# Altium PCB AMC_Box_Mainboard.PcbDoc (part 2 of 8) (continued)
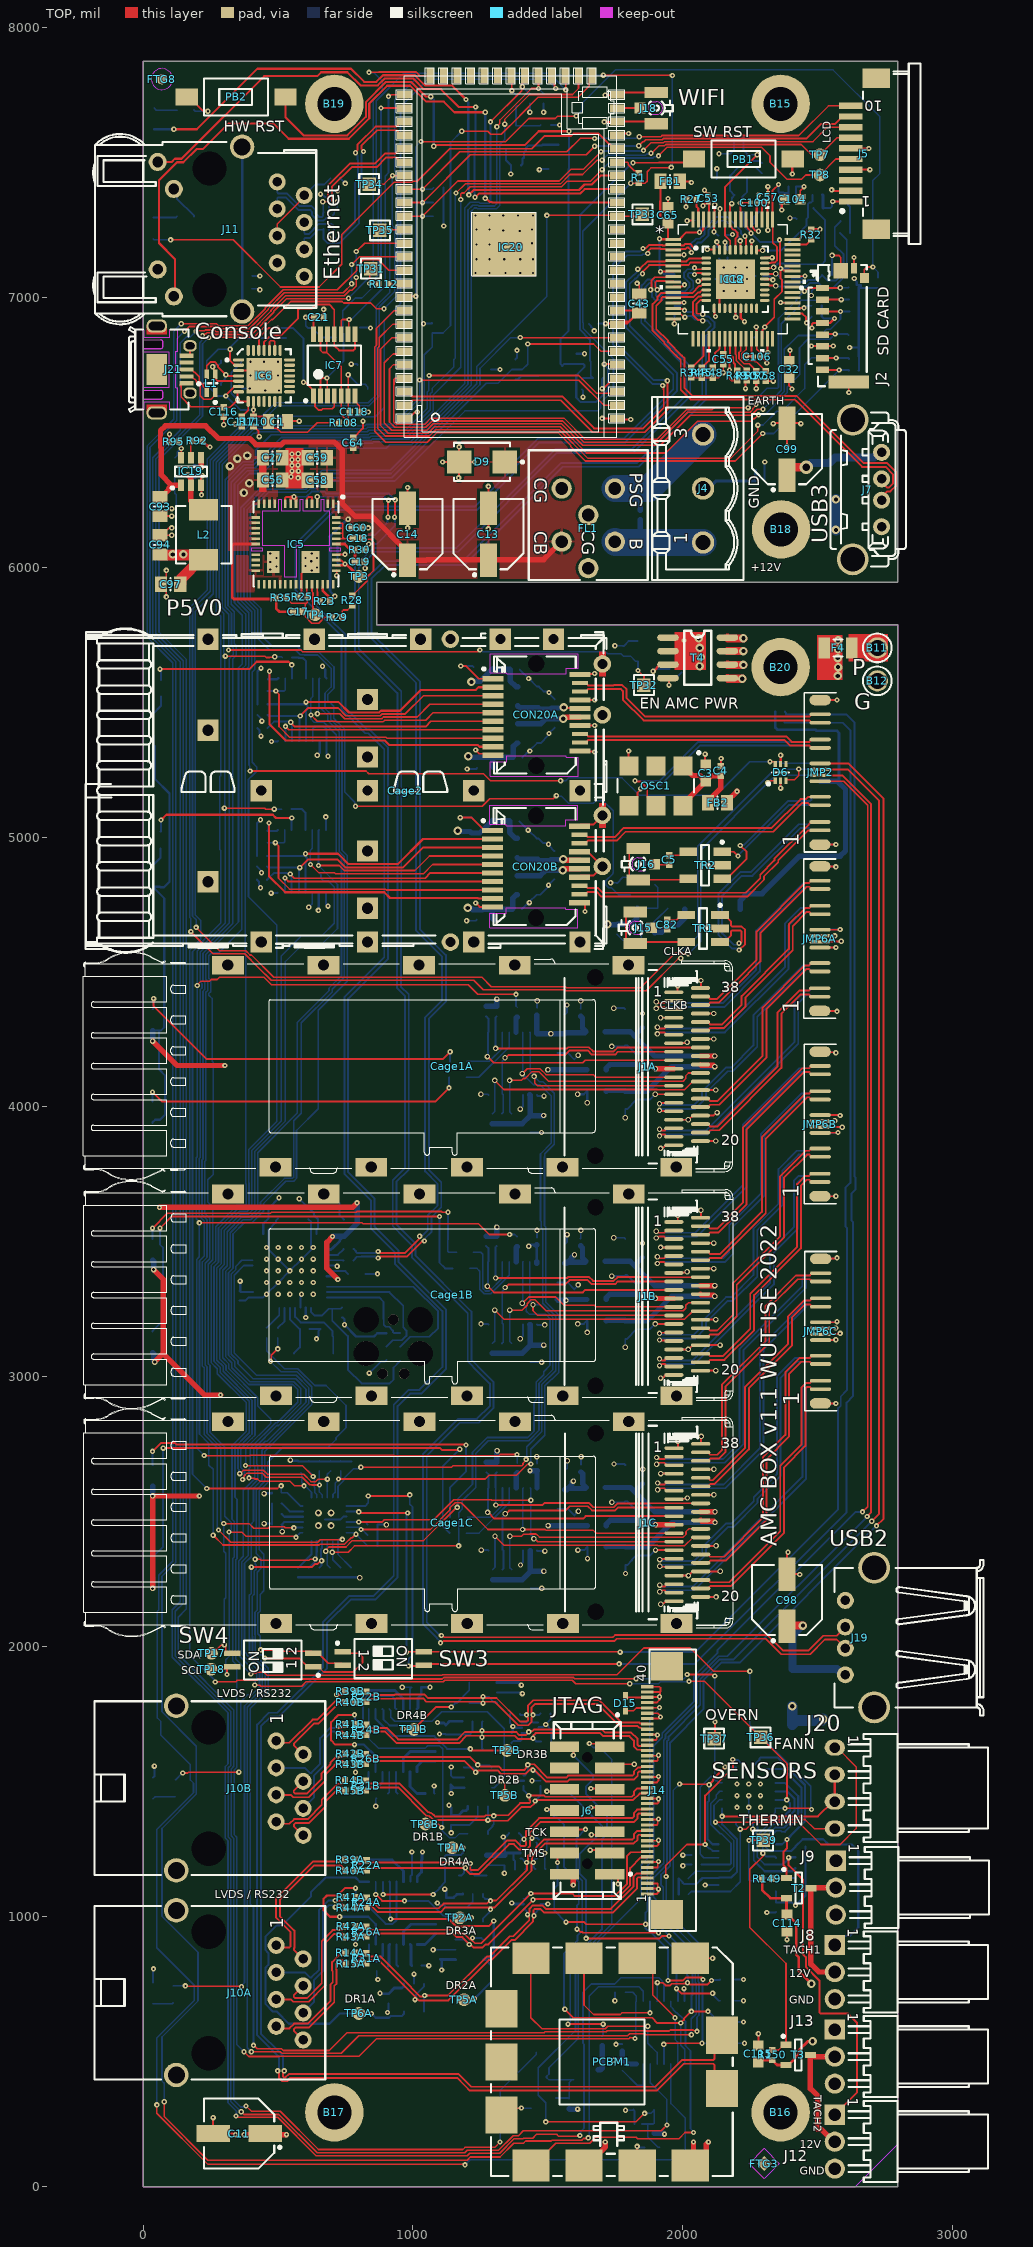
[diagram p0: TOP view]
## Part data (continued)
IC10A IC10B: "3-V To 5.5-V Multichannel RS-232 Line Driver/Receiver With ±15kV IEC ESD Protection", Case=TSSOP16, Manufacturer="TEXAS INSTRUMENTS", Author="CERN DEM JLC", Component Type=Standard, ComponentHeight=1.2mm, CreateDate=2012-01-09, Device=MAX3232CPW, HelpURL=\\cern.ch\dfs\Applications\Altium\Datasheets\MAX3232CPW.pdf, LatestRevisionDate=2012-01-10, Manufacturer Part Number=MAX3232CPW, Mounted=Yes, PackageDescription="SOP, 0.65mm pitch; 16 pin, 4.40mm W X 5.00mm L X 1.20mm H body IPC Medium Density", Part Description="3V To 5.5V Multichannel RS-232 Line Driver/Receiver With ±15kV IEC ESD Protection", Part Number=MAX3232CPW, Pin Count=16, SMD=Yes, Socket=No, Table="Analog & Interface"
IC11A IC11B IC13A IC13B: "High-Speed Differential Line Driver", Case=SOT23-5, Manufacturer="TEXAS INSTRUMENTS", Author="CERN DEM JLC", Bonding=No, Component Type=Standard, ComponentHeight=1.45mm, CreateDate=22.09.2011, Device=SN65LVDS1DBVT, HelpURL=\\cern.ch\dfs\Applications\Altium\Datasheets\SN65LVDS1DBVT.pdf, LatestRevisionDate=22.09.2011, Manufacturer Part Number=SN65LVDS1DBVT, Mounted=Yes, PackageDescription="SOT, 0.95mm pitch; 5 pin, 1.60mm W X 2.90mm L X 1.45mm H body, IPC Medium Density", Part Description="High-Speed Differential Line Driver", Part Number=SN65LVDS1DBVT, Pin Count=5, PressFit=No, Sense=No, SMD=Yes, Socket=No
IC12: library part IFC_USB2504A-JT, "Integrated USB 2.0 Compatible 4-Port Hub", Manufacturer=Microchip, Copyright="Copyright (C) 2022 Ultra Librarian. All rights reserved.", Manufacturer Part Number=USB2504A-JT, RefDes=RefDes, Type=DEV
IC15: "3-Pin Microprocessor Reset Circuit", Case=SOT23, Manufacturer="ST MICROELECTRONICS", Author="CERN DEM JMW", Bonding=No, Component Type=Standard, ComponentHeight=1.12mm, CreateDate=11.08.2015, Device=STM809SWX6F, HelpURL=\\cern.ch\dfs\Applications\Altium\Datasheets\STM809SWX6F.pdf, LatestRevisionDate=11.08.2015, Manufacturer Part Number=STM809SWX6F, Mounted=Yes, PackageDescription="SOT, 0.95mm, pitch; 3 pin,1.30mm W X 2.92mm L X 1.12mm H body, IPC Medium Density", Part Description="3-Pin Microprocessor Reset Circuit, Reset Threshold Voltage 2.85-3.00V", Part Number=STM809SWX6F, Pin Count=3, PressFit=No, Sense=No, SMD=Yes, Socket=No
IC16: library part IIC_MUX_MAX7357ETG+, "8-channel I2C-bus multiplexer with reset, INT and timeout"
IC17: "4-BIT 1-OF-2 FET Multiplexer/Demultiplexer 2.5V/3.3V Low-Voltage Bus Switch 5V Tolerant Shifter", Case=TSSOP16, Manufacturer="TEXAS INSTRUMENTS", Author="CERN DEM JLC", Bonding=No, Component Type=Standard, ComponentHeight=1.2mm, CreateDate=30.01.2012, Device=SN74CB3T3257PW, HelpURL=\\cern.ch\dfs\Applications\Altium\Datasheets\SN74CB3T3257PW.pdf, LatestRevisionDate=30.01.2012, Manufacturer Part Number=SN74CB3T3257PW, Mounted=Yes, PackageDescription="SOP, 0.65mm pitch; 16 pin, 4.40mm W X 5.00mm L X 1.20mm H body IPC Medium Density", Part Description="4-Bit 1-of-2 FET Multiplexer/Demultiplexer 2.5V/3.3V Low-Voltage Bus Switch 5V Tolerant Shifter", Part Number=SN74CB3T3257PW, Pin Count=16, PressFit=No, Sense=No, SMD=Yes, Socket=No
IC19: library part PM_AP65111A, "LIGHT LOAD IMPROVED 1.5A SYNCH DC/DC BUCK CONVERTER", Case=SOT26, Manufacturer="DIODES INCORPORATED", Author=GK, Bonding=No, Component Type=Standard, ComponentHeight=1.45mm, CreateDate=10.07.2015, Device=AP62201WU-7, HelpURL=\\cern.ch\dfs\Applications\Altium\Datasheets\AP133-WG-7.pdf, LatestRevisionDate=10.07.2015, Manufacturer Part Number=AP62201WU-7, Mounted=Yes, PackageDescription="SOT23, 0.95mm pitch; 6 pin, 1.6mm W X 3.0mm L X 1.45mm H body, IPC Medium Density", Part Description="LIGHT LOAD IMPROVED 1.5A SYNCH DC/DC BUCK CONVERTER", Part Number=AP62201WU-7, Pin Count=5, PressFit=No, Sense=No, SMD=Yes, Socket=No
IC20: library part MOD_OMEGA2S, "MediaTek Transceiver; 802.11 b/g/n _Wi-Fi, WiFi, WLAN_ For Use With MT7688", Package="Module Onion", Availability=Unavailable, MF=Onion, MP=OMEGA2S, Price=None, SnapEDA_Link=https://www.snapeda.com/parts/OMEGA2S/Onion/view-part/3600410/?ref=snap
IC21: library part CMP-0095-00166-2, "8-bit AVR Microcontroller, 2.7-5.5V, 16MHz, 32KB Flash, 1KB EEPROM, 2.5KB SRAM, USB Controller, 44-pin QFN, Industrial Grade (-40°C to 85°C), Ext Osc", Code_JEDEC=MO-220-VKKD-1, ComponentLink1Description="Manufacturer URL", ComponentLink1URL=http://www.atmel.com/, ComponentLink2Description="ATmega16U4/32U4 Datasheet", ComponentLink2URL=http://www.atmel.com/dyn/resources/prod_documents/doc7766.pdf, ComponentLink3Description="ATmega16U4 ATmega32U4 Summary", ComponentLink3URL=http://www.atmel.com/dyn/resources/prod_documents/7766S.pdf, DatasheetVersion="revF, Nov-2010", PackageDescription="44-Pin Quad Flat No-Lead Package, 7 x 7 mm Body, 0.5 mm Pitch (QFN)", PackageReference=44PW, PackageVersion="revG, Sep-2009", RevisionNote="DatasheetVersion, PackageVersion & PCB updated. URLs added."
J1A J1B J1C: library part TYCO_1551920-2, "38Position QSFP Connector  (Quad Small Form-factor Pluggable)", Manufacturer="TYCO ELECTRONICS", Manufacturer Part Number=1551920-2, Author="CERN DEM JLC", Component Type=Standard, ComponentHeight=6.1mm, CreateDate=24.05.2018, Family=zQSFP+, HelpURL=\\cern.ch\dfs\Applications\Altium\Datasheets\TYCO_1551920-2.pdf, LatestRevisionDate=24.05.2018, Mounted=Yes, Part Description="38 Positions, Pitch 0.8mm zSFP+ Receptacle (Small Form-factor Pluggable)", Part Number=TYCO_1551920-2, Pin Count=38, PressFit=No, Sense=No, SMD=No, Socket=No, Status=None
J2: library part MOLEX_47309-2651, "MicroSD Card Header with Detect Switch", Manufacturer=MOLEX, Manufacturer Part Number=47309-2651, Author="CERN DEM JMW", Component Type=Standard, ComponentHeight=2.65mm, CreateDate=29.06.2017, Family=microSD, HelpURL=\\cern.ch\dfs\Applications\Altium\Datasheets\MOLEX_47309-2651.pdf, LatestRevisionDate=29.06.2017, Mounted=Yes, Part Description="1.10mm Pitch microSD Card Header with Detect Switch", Part Number=MOLEX_47309-2651, Pin Count=12, PressFit=No, Sense=No, SMD=Yes, Socket=No, Status=None
J4: library part PHOENIX_1755749, "Connector 3 Male", Manufacturer="PHOENIX CONTACT", Manufacturer Part Number="1755749 (MSTBVA 2,5/3-G-5,08)", Author="CERN DEM JLC", Component Type=Standard, ComponentHeight=12mm, CreateDate=13.11.2013, HelpURL=\\cern.ch\dfs\Applications\Altium\Datasheets\PHOENIX_1755749.pdf, LatestRevisionDate=13.11.2013, Mounted=Yes, Part Description="12A, 250V, Pitch 5.08mm, 3 Positions Header", Part Number=PHOENIX_1755749, Pin Count=3, PressFit=No, Sense=No, SMD=No, Socket=No, Status=None
J5: library part "WURTH_686 110 144 22", "Connector 10 Female", Manufacturer="WURTH ELEKTRONIK", Manufacturer Part Number="686 110 144 22", Author="CERN DEM JMW", Component Type=Standard, ComponentHeight=3.15mm, CreateDate=06.08.2015, Family=FFC, HelpURL="\\cern.ch\dfs\Applications\Altium\Datasheets\WURTH_686 110 144 22.pdf", LatestRevisionDate=06.08.2015, Mounted=Yes, Part Description="10 Contacts, Pitch 1mm, SMT Connector, ZIF Horizontal Bottom Contact WR-FPC", Part Number="WURTH_686 110 144 22", Pin Count=10, PressFit=No, Sense=No, SMD=Yes, Socket=No, Status=None
J6: library part MOLEX_87832-1420, "Connector 14 Male", Manufacturer=MOLEX, Manufacturer Part Number=87832-1420, Author="CERN DEM JLC", Component Type=Standard, ComponentHeight=6.4mm, CreateDate=2008-09-09, Family=Milli-Grid™, HelpURL=\\cern.ch\dfs\Applications\Altium\Datasheets\MOLEX_87832-1420.pdf, LatestRevisionDate=2008-09-09, Mounted=Yes, Part Description="2.00mm (.079\") Pitch Milli-Grid™ Header, Surface Mount, Vertical, Shrouded, 14 Circuits,with Locking Windows and Centre Polarization Slot, PCB Locator", Part Number=MOLEX_87832-1420, Pin Count=14, SMD=Yes, Socket=No, Status=None, Table=MOLEX
J7: library part TYCO_1734366-1, "4 Pin + 1 Shield USB Receptacle", Manufacturer="TYCO ELECTRONICS", Manufacturer Part Number=1734366-1, Author="CERN DEM MR", Component Type=Standard, ComponentHeight=15mm, CreateDate=30.05.2016, Family="USB 2.0", HelpURL=\\cern.ch\dfs\Applications\Altium\Datasheets\TYCO_1734366-1.pdf, LatestRevisionDate=30.05.2016, Mounted=Yes, Part Description="4 Position, Straight, USB 2.0 Type A Receptacle", Part Number=TYCO_1734366-1, Pin Count=6, PressFit=No, Sense=No, SMD=No, Socket=No, Status=None
J8 J9 J12 J13: library part MOLEX_22-05-7038, "Connector 3 Male", Manufacturer=MOLEX, Manufacturer Part Number=22-05-7038, Author="CERN DEM JLC", Component Type=Standard, ComponentHeight=5.8mm, CreateDate=19.09.2012, Family=KK®, HelpURL=\\cern.ch\dfs\Applications\Altium\Datasheets\MOLEX_22-05-7038.pdf, LatestRevisionDate=19.09.2012, Mounted=Yes, Part Description="2.54mm (.100\") Pitch KK® Wire-To-Board Header, Right Angle, With Friction Lock, 3 Circuits", Part Number=MOLEX_22-05-7038, Pin Count=3, PressFit=No, Sense=No, SMD=No, Socket=No, Status=None
J10A J10B: library part FCI_95678-001LF, "1 Port, 8 Positions Shielded Snap PEG, CAT5 RJ45 Horizontal Modular Jack", Manufacturer=FCI, Manufacturer Part Number=95678-001LF, Author="CERN DEM BC", Component Type=Standard, ComponentHeight=13.99mm, CreateDate=28.07.2015, Family=RJ45, HelpURL=\\cern.ch\dfs\Applications\Altium\Datasheets\FCI_95678-001LF.pdf, LatestRevisionDate=28.07.2015, Mounted=Yes, Part Description="1 Port, 8 Positions Shielded Snap PEG, CAT5 RJ45 Horizontal Modular Jack", Part Number=FCI_95678-001LF, Pin Count=10, PressFit=No, Sense=No, SMD=No, Socket=No, Status=None
J11: library part TYCO_5-6605308-1, "1 Port, Yellow/Green LEDs, RJ45 10/100Base-T Ethernet, Mag45 Connector Module With Integrated Magnetics", Manufacturer="TYCO ELECTRONICS", Manufacturer Part Number=5-6605308-1, Author="CERN DEM JLC", Component Type=Standard, ComponentHeight=15.24mm, CreateDate=23.08.2012, Family=RJ45, HelpURL=\\cern.ch\dfs\Applications\Altium\Datasheets\TYCO_5-6605308-1.pdf, LatestRevisionDate=23.08.2012, Mounted=Yes, Part Description="1 Port, Yellow/Green LEDs, RJ45 10/100Base-T Ethernet, Mag45 Connector Module With Integrated Magnetics", Part Number=TYCO_5-6605308-1, Pin Count=14, PressFit=No, Sense=No, SMD=No, Socket=No, Status=None
J14: "0.50 mm SMT ZIF Horizontal Top Contact WR-FPC, 40 pins", ComponentLink1Description=Manufacturer, ComponentLink1URL=http://www.we-online.de, ComponentLink2Description=Datasheet, ComponentLink2URL=http://katalog.we-online.com/em/datasheet/6871xx14022.pdf, Part Number=68714014022, Pin Number=40, Pitch="0.5 mm", Published Date="April 2017", Publisher="Wurth Elektronik"
J15 J16 J18: library part HIROSE_U.FL-R-SMT-1(10), Manufacturer="HIROSE (HRS)", Manufacturer Part Number=U.FL-R-SMT-1(10), Author="CERN DEM JLC", Component Type=Standard, ComponentHeight=1.25mm, CreateDate=24.03.2010, Family=U.FL, HelpURL=\\cern.ch\dfs\Applications\Altium\Datasheets\HIROSE_U.FL-R-SMT-1(10).pdf, LatestRevisionDate=24.03.2010, Mounted=Yes, Part Description="Up to 6GHz Ultra Small Surface Mount Male Coaxial Connectors U.FL Series", Part Number=HIROSE_U.FL-R-SMT-1(10), Pin Count=2, PressFit=No, Sense=No, SMD=Yes, Socket=No, Status=None
J17: library part "HDR 6 TC2030-NL", "HDR, TC2030, 6 Pin, Footprint only", Mfg-1=Tag-Connect, Mfg-1-P/N=TC2030-IDC-NL
J19: library part TYCO_292303-1, "4 Pin + 1 Shield USB Receptacle", Manufacturer="TYCO ELECTRONICS", Manufacturer Part Number=292303-1, Author="CERN DEM JMW", Component Type=Standard, ComponentHeight=7.65mm, CreateDate=13.08.2015, Family="USB 2.0", HelpURL=\\cern.ch\dfs\Applications\Altium\Datasheets\TYCO_292303-1.pdf, LatestRevisionDate=13.08.2015, Mounted=Yes, Part Description="4 Positions, Right Angle, USB 2.0 Type A Receptacle", Part Number=TYCO_292303-1, Pin Count=5, PressFit=No, Sense=No, SMD=No, Socket=No, Status=None
J20: library part CON_4_2.54_RA_key, "2.54mm crimped terminal header"
J21: library part HIROSE_ZX62RD-AB-5P8(30), "5 Pin + 1 Shield USB Receptacle", Manufacturer="HIROSE (HRS)", Manufacturer Part Number=ZX62RD-AB-5P8(30), Author="CERN DEM JMW", Component Type=Standard, ComponentHeight=2.35mm, ComponentLink1Description=Package-Drawing, ComponentLink1URL=\\cern.ch\dfs\Applications\Altium\Datasheets\HIROSE_ZX62RD-AB-5P8(30)_Package-Drawing.pdf, CreateDate=22.06.2017, Family="Micro-USB AB 2.0", HelpURL=\\cern.ch\dfs\Applications\Altium\Datasheets\HIROSE_ZX62RD-AB-5P8(30).pdf, LatestRevisionDate=22.06.2017, Mounted=Yes, Part Description="Micro-USB 2.0 Right Angle, SMD Type AB - Reverse (Top mount), Shell Through Hole", Part Number=HIROSE_ZX62RD-AB-5P8(30), Pin Count=7, PressFit=No, Sense=No, SMD=Yes, Socket=No, Status=None
JMP2 JMP4 JMP5A JMP5B JMP5C JMP6A JMP6B JMP6C: library part CBL_TWINAX_3M_4pairs_SB, "Flat Ribbon Cable Silver 8 (4 Pair) Conductors 0.093\" (2.37mm) Between Pairs Flat Twin Axial 500.0' (152.40m)"
L1: library part IND_MURATA_DLW21SN900SQ2L, "Inductor Common Mode", Case=0805, Manufacturer=MURATA, Manufacturer Part Number=DLW21SN900SQ2L, Power=330mA, Resistance=0.35R, Tolerance=±25%, Author="CERN DEM JLC", Component Type=Standard, ComponentHeight=1.4mm, CreateDate=2014-07-01, HelpURL=\\cern.ch\dfs\Applications\Altium\Datasheets\IND_MURATA_DLW21S.pdf, LatestRevisionDate=2014-07-01, Mounted=Yes, Part Description="Wire Wound Common Mode Choke Coil (DLW21S Series)", Part Number=IND_MURATA_DLW21SN900SQ2L, Pin Count=4, SMD=Yes, Socket=No, Status=None, Table="Inductors SMD"
L2: library part IND2020_4.7UH_20%_VISHAY_IHLP-2020BZ-11, "Inductor With Core", Case=2020, Manufacturer="VISHAY DALE", Manufacturer Part Number=IHLP2020BZER4R7M11, Power=3.2A, Resistance=0.0813R, Tolerance=±20%, Author="CERN DEM JLC", Component Type=Standard, ComponentHeight=2mm, CreateDate=23.07.2014, HelpURL=\\cern.ch\dfs\Applications\Altium\Datasheets\IND2020_VISHAY_IHLP2020BZ-11.pdf, LatestRevisionDate=23.07.2014, Mounted=Yes, Part Description="Low Profile, High Current IHLP® Inductor", Part Number=IND2020_4.7UH_20%_VISHAY_IHLP-2020BZ-11, Pin Count=2, Sense=No, SMD=Yes, Socket=No
LD1A LD1B LD2 LD3 LD4 LD5 LD6A LD6B LD6C: "LED Green 1C 2A", Color=Green, Manufacturer="AVAGO TECHNOLOGIES", Manufacturer Part Number=HSME-C120, Author="CERN DEM JMW", Component Type=Standard, ComponentHeight=0.7mm, ComponentLink1Description="Design Guide", ComponentLink1URL=\\cern.ch\dfs\Applications\Altium\Datasheets\LED_AVAGO_HSME-C110_DESIGN-GUIDE.pdf, CreateDate=2009-07-22, HelpURL=\\cern.ch\dfs\Applications\Altium\Datasheets\LED_AVAGO_HSME-C120.pdf, LatestRevisionDate=2012-06-20, Mounted=Yes, PackageDescription="Green Chip LED, 2-Leads, Body 1.7x1.1mm, Side Emitting Package", Part Description="High Performance Right Angle Chip Green LED", Part Number=LED_AVAGO_HSME-C120, Pin Count=2, SMD=Yes, Socket=No, Table="LEDs & Displays"
LD7A LD7B LD7C: library part LED_SMD_90deg_mini_R, "LED Red Avago C120", Manufacturer="AVAGO TECHNOLOGIES", Manufacturer Part Number=HSMC-C120, Part Number=LED_AVAGO_HSMC-C120, Author="CERN DEM JMW", Color=Red, Component Type=Standard, ComponentHeight=0.7mm, ComponentLink1Description="Design Guide", ComponentLink1URL=\\cern.ch\dfs\Applications\Altium\Datasheets\LED_AVAGO_HSME-C110_DESIGN-GUIDE.pdf, CreateDate=2009-07-22, HelpURL=\\cern.ch\dfs\Applications\Altium\Datasheets\LED_AVAGO_HSME-C120.pdf, LatestRevisionDate=2012-06-20, Mounted=Yes, PackageDescription="Red Chip LED, 2-Leads, Body 1.7x1.1mm, Side Emitting Package", Part Description="High Performance Right Angle Chip Red LED", Pin Count=2, SMD=Yes, Socket=No, Table="LEDs & Displays"
OSC1: library part OSC_100MHZ_CRYSTEK_CCLD-033-50-100.000, "3.3V, ± 50ppm, 0°C to +70°C, Surface Mount LVDS Clock Oscillator (CCLD-033 Series)", Manufacturer="CRYSTEK CRYSTAL", Manufacturer Part Number=CCLD-033-50-100.000, Author="CERN DEM JLC", Bonding=No, Component Type=Standard, ComponentHeight=1.8mm, CreateDate=23.02.2017, HelpURL=\\cern.ch\dfs\Applications\Altium\Datasheets\OSC_CRYSTEK_CCLD-033.pdf, LatestRevisionDate=23.02.2017, Mounted=Yes, PackageDescription="Oscillator, Side Concave, 2.54mm Pitch, 6 Pins, 5.00mm L X 7.00mm W X 1.80mm H, CCLD-033 Series", Part Description="3.3V, ± 50ppm, 0°C to +70°C, Surface Mount LVDS Clock Oscillator (CCLD-033 Series)", Part Number=OSC_100MHZ_CRYSTEK_CCLD-033-50-100.000, Pin Count=6, PressFit=No, Sense=No, SMD=Yes, Socket=No
PB1 PB2: library part PB_TYCO_FSMSM, "Push-Button Switch SPDT", Manufacturer="TYCO ELECTRONICS", Manufacturer Part Number="FSMSM or 1437566-3", Author="CERN DEM JLC", Component Type=Standard, ComponentHeight=4.3mm, CreateDate=30.06.2008, Family="Push Button", HelpURL=\\cern.ch\dfs\Applications\Altium\Datasheets\PB_TYCO_FSMSM.pdf, LatestRevisionDate=21.06.2012, Mounted=Yes, PackageDescription="Body 3.5x6.0mm, Pushbutton Switch,  TYCO ALCOSWITCH FSMSM Serie", Part Description="12VDC 50mA SPST Tactile  Push-Button Switch", Part Number=PB_TYCO_FSMSM, Pin Count=2, PressFit=No, Sense=No, SMD=Yes, Socket=No, Status=None
PCBM1: library part PCBM_DIGILENT_JTAG-SMT2-NC, "Programming Module for Xilinx FPGAs", Manufacturer=DIGILENT, Part Number=PCBM_DIGILENT_JTAG-SMT2, Author=GK, Bonding=No, Component Type=Standard, ComponentHeight=12.55mm, CreateDate=27.05.2021, Device=JTAG-SMT2-NC, HelpURL=\\cern.ch\dfs\Applications\Altium\Datasheets\PCBM_DIGILENT_JTAG-SMT2.pdf, LatestRevisionDate=27.05.2021, Manufacturer Part Number=JTAG-SMT2-NC, Mounted=Yes, PackageDescription="JTAG-SMT2 Case, 5.00mm Pitch; 11 Pins, 22.75mm W X 21.5mm L X 3.00mm H body", Part Description="Programming Module for Xilinx® FPGAs", Pin Count=11, PressFit=No, Sense=No, SMD=Yes, Socket=No
Q1: library part XTAL_24MHZ_PERICOM_FL2400041, "Crystal 4 pins 1=XTAL Control 2=GND3=XTAL 4=GND", Manufacturer=PERICOM, Manufacturer Part Number=FL2400041, Author="CERN DEM JLC", Bonding=No, Component Type=Standard, ComponentHeight=0.75mm, CreateDate=04/10/2016, HelpURL=\\cern.ch\dfs\Applications\Altium\Datasheets\XTAL_PERICOM_FL2400041.pdf, LatestRevisionDate=04/10/2016, Mounted=Yes, PackageDescription="4 Pins, 2.5x3.2mm, SMD Sealing Crystal, PERICOM FL Series", Part Description="Tolerance: ±30ppm, Stability: ±30ppm, -20°C to +70°C, 18pF, SMD Seam Sealing Crystal, FL Series", Part Number=XTAL_24MHZ_PERICOM_FL2400041, Pin Count=2, PressFit=No, Sense=No, SMD=Yes, Socket=No
Q2: library part XTAL_8MHZ_TXC_7A-8.000MAAE-T, "Quartz Crystal", Manufacturer="TXC CORPORATION", Manufacturer Part Number=7A-8.000MAAE-T, Author="CERN DEM JLC", Bonding=No, Component Type=Standard, ComponentHeight=1.2mm, CreateDate=09.10.2014, HelpURL=\\cern.ch\dfs\Applications\Altium\Datasheets\XTAL_TXC_7A.pdf, LatestRevisionDate=12.11.2014, Mounted=Yes, PackageDescription="2 Pins, 3.2x5mm, SMD Glass Seam Sealing Crystal, 7A Serie", Part Description="Tolerance: ±30ppm, Stability: ±30ppm, -20°C to +70°C, 12pF, SMD Glass Seam Sealing Crystal, 7A Series", Part Number=XTAL_8MHZ_TXC_7A-8.000MAAE-T, Pin Count=2, PressFit=No, Sense=No, SMD=Yes, Socket=No
R1 R8A R8B R10A R10B R10C R14A R14B R15A R15B R16A R16B R17A R17B R18A R18B R19A R19B R20A R20B R21A R21B R32 R39A R39B R40A R40B R41A R41B R42A R42B R43A R43B R44A R44B R71 R85 R107 R112 R194 R195 R196: library part R0402_0R_JUMPER, "Resistor", Case=0402, Manufacturer=GENERIC, Manufacturer1 ComponentHeight=0.4mm, Manufacturer1 Example="YAGEO PHYCOMP", Manufacturer1 Part Number=232270591001L, Author="CERN DEM JLC", Component Type=Standard, HelpURL=\\cern.ch\dfs\Applications\Altium\Datasheets\R0402_Phycomp_RC0402.pdf, Manufacturer Part Number=R0402_0R_JUMPER, Mounted=Yes, Part Description="1A (0.05R Max DC Resistance) Zero Ohm Jumper", Part Number=R0402_0R_JUMPER, Pin Count=2, SMD=Yes, Socket=No
  R1 R32 R71 R85 R107 R112 R194 R195 R196: CreateDate=03.12.2007, LatestRevisionDate=17.10.2012, PressFit=No, Sense=No, Status="Not Recommended"
  R8A R8B R10A R10B R10C R14A R14B R15A R15B R16A R16B R17A R17B R18A R18B R19A R19B R20A R20B R21A R21B R39A R39B R40A R40B R41A R41B R42A R42B R43A R43B R44A R44B: CreateDate=2007-12-03, LatestRevisionDate=2012-10-17, Status="Not recommended", Table="Resistors SMD"
R2 R3 R4 R5 R6A R6B R6C R9 R11 R12A R12B R12C R23 R28 R29 R33 R36 R37 R47 R51A R51B R52A R52B R53 R54 R63 R64 R65 R66 R67 R68 R70 R74A R74B R74C R79 R80A R80B R80C R86A R86B R86C R88 R89A R89B R90A R90B R91A R91B R105 R108 R109 R110 R111 R113 R114 R115 R147 R148 R149 R150 R152 R153 R154: library part R0402_10K_1%_0.0625W_100PPM, "Resistor - 1%", Case=0402, Manufacturer=GENERIC, Manufacturer1 ComponentHeight=0.4mm, Manufacturer1 Example="YAGEO PHYCOMP", Manufacturer1 Part Number=232270671003L, Power=0.0625W, Tolerance=±1%, Author="CERN DEM JLC", Component Type=Standard, HelpURL=\\cern.ch\dfs\Applications\Altium\Datasheets\R0402_Phycomp_RC0402.pdf, Manufacturer Part Number=R0402_10K_1%_0.0625W_100PPM, Mounted=Yes, Part Description="General Purpose Thick Film Chip Resistor", Part Number=R0402_10K_1%_0.0625W_100PPM, Pin Count=2, SMD=Yes, Socket=No, TC=±100ppm/°C
  R2 R3 R4 R5 R6A R6B R6C R9 R11 R12A R12B R12C R23 R28 R29 R33 R36 R37 R47 R51A R51B R52A R52B R53 R54 R63 R64 R65 R66 R67 R74A R74B R74C R79 R80A R80B R80C R86A R86B R86C R89A R89B R90A R90B R91A R91B R108 R109 R110 R111 R113 R114 R115 R147 R148 R149 R150 R152 R153 R154: CreateDate=2007-12-03, LatestRevisionDate=2012-10-17, Status="Not recommended", Table="Resistors SMD"
  R68 R70 R88 R105: CreateDate=03.12.2007, LatestRevisionDate=17.10.2012, PressFit=No, Sense=No, Status="Not Recommended"
R7A R7B R7C R56 R61 R72 R76 R87A R87B R87C R93A R93B: library part R0603_330R_1%_0.1W_100PPM, "Resistor - 1%", Case=0603, Manufacturer=GENERIC, Manufacturer1 ComponentHeight=0.55mm, Manufacturer1 Example="NIC COMPONENT", Manufacturer1 Part Number=NRC06F3300TRF, Power=0.1W, Tolerance=±1%, Author="CERN DEM JLC", Component Type=Standard, CreateDate=2007-12-03, HelpURL=\\cern.ch\dfs\Applications\Altium\Datasheets\R0603_NIC_NRC.pdf, LatestRevisionDate=2008-03-13, Manufacturer Part Number=R0603_330R_1%_0.1W_100PPM, Mounted=Yes, Part Description="General Purpose Thick Film Chip Resistor", Part Number=R0603_330R_1%_0.1W_100PPM, Pin Count=2, SMD=Yes, Socket=No, Status=Preferred, Table="Resistors SMD", TC=±100ppm/°C
R13 R78: library part R0402_22R_1%_0.0625W_100PPM, "Resistor - 1%", Case=0402, Manufacturer=GENERIC, Manufacturer1 ComponentHeight=0.4mm, Manufacturer1 Example="YAGEO PHYCOMP", Manufacturer1 Part Number=232270672209L, Power=0.0625W, Tolerance=±1%, Author="CERN DEM JLC", Component Type=Standard, CreateDate=03.12.2007, HelpURL=\\cern.ch\dfs\Applications\Altium\Datasheets\R0402_Phycomp_RC0402.pdf, LatestRevisionDate=17.10.2012, Manufacturer Part Number=R0402_22R_1%_0.0625W_100PPM, Mounted=Yes, Part Description="General Purpose Thick Film Chip Resistor", Part Number=R0402_22R_1%_0.0625W_100PPM, Pin Count=2, PressFit=No, Sense=No, SMD=Yes, Socket=No, Status="Not Recommended", TC=±100ppm/°C
R22A R22B R24A R24B R26A R26B R31A R31B: library part R0402_100R_1%_0.0625W_100PPM, "Resistor - 1%", Case=0402, Manufacturer=GENERIC, Manufacturer1 ComponentHeight=0.4mm, Manufacturer1 Example="YAGEO PHYCOMP", Manufacturer1 Part Number=232270671001L, Power=0.0625W, Tolerance=±1%, Author="CERN DEM JLC", Component Type=Standard, CreateDate=2007-12-03, HelpURL=\\cern.ch\dfs\Applications\Altium\Datasheets\R0402_Phycomp_RC0402.pdf, LatestRevisionDate=2012-10-17, Manufacturer Part Number=R0402_100R_1%_0.0625W_100PPM, Mounted=Yes, Part Description="General Purpose Thick Film Chip Resistor", Part Number=R0402_100R_1%_0.0625W_100PPM, Pin Count=2, SMD=Yes, Socket=No, Status="Not recommended", Table="Resistors SMD", TC=±100ppm/°C
R25: library part R0402_2K4_1%_0.0625W_100PPM, "Resistor - 1%", Case=0402, Manufacturer=GENERIC, Manufacturer1 ComponentHeight=0.4mm, Manufacturer1 Example="YAGEO PHYCOMP", Manufacturer1 Part Number=232270672402L, Power=0.0625W, Tolerance=±1%, Author="CERN DEM JLC", Component Type=Standard, CreateDate=03.12.2007, HelpURL=\\cern.ch\dfs\Applications\Altium\Datasheets\R0402_Phycomp_RC0402.pdf, LatestRevisionDate=17.10.2012, Manufacturer Part Number=R0402_2K4_1%_0.0625W_100PPM, Mounted=Yes, Part Description="General Purpose Thick Film Chip Resistor", Part Number=R0402_2K4_1%_0.0625W_100PPM, Pin Count=2, PressFit=No, Sense=No, SMD=Yes, Socket=No, Status="Not Recommended", TC=±100ppm/°C
R27 R103: library part R0402_12K_1%_0.0625W_100PPM, "Resistor - 1%", Case=0402, Manufacturer=GENERIC, Manufacturer1 ComponentHeight=0.4mm, Manufacturer1 Example="YAGEO PHYCOMP", Manufacturer1 Part Number=232270671203L, Power=0.0625W, Tolerance=±1%, Author="CERN DEM JLC", Component Type=Standard, CreateDate=03/12/2007, HelpURL=\\cern.ch\dfs\Applications\Altium\Datasheets\R0402_Phycomp_RC0402.pdf, LatestRevisionDate=17/10/2012, Manufacturer Part Number=R0402_12K_1%_0.0625W_100PPM, Mounted=Yes, Part Description="General Purpose Thick Film Chip Resistor", Part Number=R0402_12K_1%_0.0625W_100PPM, Pin Count=2, PressFit=No, Sense=No, SMD=Yes, Socket=No, Status="Not Recommended", TC=±100ppm/°C
R30: library part R0402_1K6_1%_0.0625W_100PPM, "Resistor - 1%", Case=0402, Manufacturer=GENERIC, Manufacturer1 ComponentHeight=0.4mm, Manufacturer1 Example="YAGEO PHYCOMP", Manufacturer1 Part Number=232270671602L, Power=0.0625W, Tolerance=±1%, Author="CERN DEM JLC", Component Type=Standard, CreateDate=03.12.2007, HelpURL=\\cern.ch\dfs\Applications\Altium\Datasheets\R0402_Phycomp_RC0402.pdf, LatestRevisionDate=17.10.2012, Manufacturer Part Number=R0402_1K6_1%_0.0625W_100PPM, Mounted=Yes, Part Description="General Purpose Thick Film Chip Resistor", Part Number=R0402_1K6_1%_0.0625W_100PPM, Pin Count=2, PressFit=No, Sense=No, SMD=Yes, Socket=No, Status="Not Recommended", TC=±100ppm/°C
R34 R38 R45 R48 R49 R50 R55 R57 R58 R92: library part R0402_49R9_1%_0.0625W_100PPM, "Resistor - 1%", Case=0402, Manufacturer=GENERIC, Manufacturer1 ComponentHeight=0.4mm, Manufacturer1 Example="YAGEO PHYCOMP", Manufacturer1 Part Number="232270674999L or RC0402FR-0749R9L", Power=0.0625W, Tolerance=±1%, Author="CERN DEM JLC", Component Type=Standard, CreateDate=2012-10-24, HelpURL=\\cern.ch\dfs\Applications\Altium\Datasheets\R0402_Phycomp_RC0402.pdf, LatestRevisionDate=2012-10-24, Manufacturer Part Number=R0402_49R9_1%_0.0625W_100PPM, Mounted=Yes, Part Description="General Purpose Thick Film Chip Resistor", Part Number=R0402_49R9_1%_0.0625W_100PPM, Pin Count=2, SMD=Yes, Socket=No, Status="Not recommended", Table="Resistors SMD", TC=±100ppm/°C
R35: library part R0402_7K5_1%_0.0625W_100PPM, "Resistor - 1%", Case=0402, Manufacturer=GENERIC, Manufacturer1 ComponentHeight=0.4mm, Manufacturer1 Example="YAGEO PHYCOMP", Manufacturer1 Part Number=232270677502L, Power=0.0625W, Tolerance=±1%, Author="CERN DEM JLC", Component Type=Standard, CreateDate=03.12.2007, HelpURL=\\cern.ch\dfs\Applications\Altium\Datasheets\R0402_Phycomp_RC0402.pdf, LatestRevisionDate=17.10.2012, Manufacturer Part Number=R0402_7K5_1%_0.0625W_100PPM, Mounted=Yes, Part Description="General Purpose Thick Film Chip Resistor", Part Number=R0402_7K5_1%_0.0625W_100PPM, Pin Count=2, PressFit=No, Sense=No, SMD=Yes, Socket=No, Status="Not Recommended", TC=±100ppm/°C
R46 R59 R60 R62 R73 R184 R185 R186 R187 R188 R189 R190 R191 R198 R199 R200 R201 R202 R203 R204 R205: library part R0402_2K_1%_0.0625W_100PPM, "Resistor - 1%", Case=0402, Manufacturer=GENERIC, Manufacturer1 ComponentHeight=0.4mm, Manufacturer1 Example="YAGEO PHYCOMP", Manufacturer1 Part Number=232270672002L, Power=0.0625W, Tolerance=±1%, Author="CERN DEM JLC", Component Type=Standard, CreateDate=03.12.2007, HelpURL=\\cern.ch\dfs\Applications\Altium\Datasheets\R0402_Phycomp_RC0402.pdf, LatestRevisionDate=17.10.2012, Manufacturer Part Number=R0402_2K_1%_0.0625W_100PPM, Mounted=Yes, Part Description="General Purpose Thick Film Chip Resistor", Part Number=R0402_2K_1%_0.0625W_100PPM, Pin Count=2, PressFit=No, Sense=No, SMD=Yes, Socket=No, Status="Not Recommended", TC=±100ppm/°C
R69 R104 R197: library part R0402_1M_1%_0.0625W_100PPM, "Resistor - 1%", Case=0402, Manufacturer=GENERIC, Manufacturer1 ComponentHeight=0.4mm, Manufacturer1 Example="YAGEO PHYCOMP", Manufacturer1 Part Number=232270671005L, Power=0.0625W, Tolerance=±1%, Author="CERN DEM JLC", Component Type=Standard, HelpURL=\\cern.ch\dfs\Applications\Altium\Datasheets\R0402_Phycomp_RC0402.pdf, Manufacturer Part Number=R0402_1M_1%_0.0625W_100PPM, Mounted=Yes, Part Description="General Purpose Thick Film Chip Resistor", Part Number=R0402_1M_1%_0.0625W_100PPM, Pin Count=2, PressFit=No, Sense=No, SMD=Yes, Socket=No, Status="Not Recommended", TC=±100ppm/°C
  R69 R197: CreateDate=03.12.2007, LatestRevisionDate=17.10.2012
  R104: CreateDate=03/12/2007, LatestRevisionDate=17/10/2012
R75 R77 R96 R97: library part R0402_5K1_1%_0.0625W_100PPM, "Resistor - 1%", Case=0402, Manufacturer=GENERIC, Manufacturer1 ComponentHeight=0.4mm, Manufacturer1 Example="YAGEO PHYCOMP", Manufacturer1 Part Number=232270675102L, Power=0.0625W, Tolerance=±1%, Author="CERN DEM JLC", Component Type=Standard, CreateDate=03/12/2007, HelpURL=\\cern.ch\dfs\Applications\Altium\Datasheets\R0402_Phycomp_RC0402.pdf, LatestRevisionDate=17/10/2012, Manufacturer Part Number=R0402_5K1_1%_0.0625W_100PPM, Mounted=Yes, Part Description="General Purpose Thick Film Chip Resistor", Part Number=R0402_5K1_1%_0.0625W_100PPM, Pin Count=2, PressFit=No, Sense=No, SMD=Yes, Socket=No, Status="Not Recommended", TC=±100ppm/°C
R81A R81B R82A R82B R83A R83B R84A R84B: library part R0402_1K_1%_0.0625W_100PPM, "Resistor - 1%", Case=0402, Manufacturer=GENERIC, Manufacturer1 ComponentHeight=0.4mm, Manufacturer1 Example="YAGEO PHYCOMP", Manufacturer1 Part Number=232270671002L, Power=0.0625W, Tolerance=±1%, Author="CERN DEM JLC", Component Type=Standard, CreateDate=03.12.2007, HelpURL=\\cern.ch\dfs\Applications\Altium\Datasheets\R0402_Phycomp_RC0402.pdf, LatestRevisionDate=17.10.2012, Manufacturer Part Number=R0402_1K_1%_0.0625W_100PPM, Mounted=Yes, Part Description="General Purpose Thick Film Chip Resistor", Part Number=R0402_1K_1%_0.0625W_100PPM, Pin Count=2, PressFit=No, Sense=No, SMD=Yes, Socket=No, Status="Not Recommended", TC=±100ppm/°C
R94: library part R0402_68K_1%_0.0625W_100PPM, "Resistor - 1%", Case=0402, Manufacturer=GENERIC, Manufacturer1 ComponentHeight=0.4mm, Manufacturer1 Example="YAGEO PHYCOMP", Manufacturer1 Part Number=232270676803L, Power=0.0625W, Tolerance=±1%, Author="CERN DEM JLC", Component Type=Standard, CreateDate=03.12.2007, HelpURL=\\cern.ch\dfs\Applications\Altium\Datasheets\R0402_Phycomp_RC0402.pdf, LatestRevisionDate=17.10.2012, Manufacturer Part Number=R0402_68K_1%_0.0625W_100PPM, Mounted=Yes, Part Description="General Purpose Thick Film Chip Resistor", Part Number=R0402_68K_1%_0.0625W_100PPM, Pin Count=2, PressFit=No, Sense=No, SMD=Yes, Socket=No, Status="Not Recommended", TC=±100ppm/°C
R95: library part R0402_13K_1%_0.0625W_100PPM, "Resistor - 1%", Case=0402, Manufacturer=GENERIC, Manufacturer1 ComponentHeight=0.4mm, Manufacturer1 Example="YAGEO PHYCOMP", Manufacturer1 Part Number=232270671303L, Power=0.0625W, Tolerance=±1%, Author="CERN DEM JLC", Component Type=Standard, CreateDate=03.12.2007, HelpURL=\\cern.ch\dfs\Applications\Altium\Datasheets\R0402_Phycomp_RC0402.pdf, LatestRevisionDate=17.10.2012, Manufacturer Part Number=R0402_13K_1%_0.0625W_100PPM, Mounted=Yes, Part Description="General Purpose Thick Film Chip Resistor", Part Number=R0402_13K_1%_0.0625W_100PPM, Pin Count=2, PressFit=No, Sense=No, SMD=Yes, Socket=No, Status="Not Recommended", TC=±100ppm/°C
R98 R99 R100 R101 R102: library part R0402_47K_1%_0.0625W_100PPM, "Resistor - 1%", Case=0402, Manufacturer=GENERIC, Manufacturer1 ComponentHeight=0.4mm, Manufacturer1 Example="YAGEO PHYCOMP", Manufacturer1 Part Number=232270675103L, Power=0.0625W, Tolerance=±1%, Author="CERN DEM JLC", Component Type=Standard, CreateDate=03.12.2007, HelpURL=\\cern.ch\dfs\Applications\Altium\Datasheets\R0402_Phycomp_RC0402.pdf, LatestRevisionDate=17.10.2012, Manufacturer Part Number=R0402_47K_1%_0.0625W_100PPM, Mounted=Yes, Part Description="General Purpose Thick Film Chip Resistor", Part Number=R0402_47K_1%_0.0625W_100PPM, Pin Count=2, PressFit=No, Sense=No, SMD=Yes, Socket=No, Status="Not Recommended", TC=±100ppm/°C
SW3 SW4: library part SW_TYCO_1571983-1, "2 Ways SPST DIP Switch", Manufacturer=TYCO, Manufacturer Part Number="1571983-1 or GDH02S04", Author="CERN DEM JLC", Component Type=Standard, ComponentHeight=2.31mm, CreateDate=08/01/2009, Family=Switch, HelpURL=\\cern.ch\dfs\Applications\Altium\Datasheets\SW_TYCO_1571983-1.pdf, LatestRevisionDate=08/01/2009, Mounted=Yes, PackageDescription="Pitch 1.27mm,  Body3.66x6.2mm, 2 Ways SPST Surface-Mount DIP Switch, TYCO GDH Series", Part Description="2 Way SPST SMD DIP Switch, Latched, Contact Rating 0.025A 24VDC", Part Number=SW_TYCO_1571983-1, Pin Count=4, PressFit=No, Sense=No, SMD=Yes, Socket=No, Status=None
T1 T5 T8 T9: "N-CHANNEL MOSFET WITH DIODE", Case=SOT23-3, Manufacturer="ON SEMICONDUCTOR", Author="CERN DEM JLC", Bonding=No, Component Type=Standard, ComponentHeight=1.11mm, Device=BSS138LT1G, HelpURL=\\cern.ch\dfs\Applications\Altium\Datasheets\BSS138LT1G.pdf, Manufacturer Part Number=BSS138LT1G, Mounted=Yes, PackageDescription="SOT23 3-Leads, Pitch 0.95mm - Body 1.4x3mm, IPC Medium Density", Part Description="50V 200mA N-Channel Enhancement Mode Field-Effect Transistor", Part Number=BSS138LT1G, Pin Count=3, PressFit=No, Sense=No, SMD=Yes, Socket=No
  T1: CreateDate=23.03.2009, LatestRevisionDate=23.03.2009
  T5 T8 T9: CreateDate=3/23/2009, LatestRevisionDate=3/23/2009
T2 T3 T6 T7: "P-CHANNEL MOSFET WITH ZENER DIODE", Case=SOT23-3, Manufacturer="INTERNATIONAL RECTIFIER", Author="CERN DEM JLC", Bonding=No, Component Type=Standard, ComponentHeight=1.12mm, CreateDate=8/29/2011, Device=IRLML6402PBF, HelpURL=\\cern.ch\dfs\Applications\Altium\Datasheets\IRLML6402PBF.pdf, LatestRevisionDate=8/29/2011, Manufacturer Part Number=IRLML6402PBF, Mounted=Yes, PackageDescription="SOT, 0.95mm, pitch; 3 pin,1.30mm W X 2.92mm L X 1.12mm H body, IPC Medium Density", Part Description="-20V -3.7A P-Channel HEXFET® Power MOSFET", Part Number=IRLML6402PBF, Pin Count=3, PressFit=No, Sense=No, SMD=Yes, Socket=No
T4: library part Q_IRF9310, "PMOS 30V, 4.6mR, 20A, 2.5W"
TP1A TP1B TP2A TP2B TP3 TP4 TP5A TP5B TP6A TP6B TP7 TP8 TP17 TP18: "Testpoint"
TP31 TP32 TP33 TP34 TP35 TP36 TP37 TP39: library part SMD_PAD_1.27X1.27MM, Author="CERN DEM JLC", Component Type="Standard (No BOM)", ComponentHeight=0mm, CreateDate=12.01.2008, Family="Test Point", HelpURL=Undefined, LatestRevisionDate=12.01.2008, Mounted=No, PackageDescription="1.27mm x 1.27mm PCB Copper Area (SMD Test Point)", Part Description="1.27mm x 1.27mm PCB Copper Area (SMD Test Point)", Part Number=SMD_PAD_1.27X1.27MM, Pin Count=1, Sense=No, SMD=Yes, Socket=No, Status=None
TR1 TR2: library part XFMR_MINI-CIRCUITS_TC2-72T+, "50 Ohms 10 to 700 MHzz RF Transformer", Manufacturer=MINI-CIRCUITS, Manufacturer Part Number=TC2-72T+, Author=GK, Component Type=Standard, ComponentHeight=4.06mm, CreateDate=18.10.2019, HelpURL=\\cern.ch\dfs\Applications\Altium\Datasheets\XFMR_MINI-CIRCUITS_TC2-1TX+.pdf, LatestRevisionDate=18.10.2019, Mounted=Yes, Part Description="50 Ohms 10 to 700MHz RF Transformer", Part Number=XFMR_MINI-CIRCUITS_TC2-72T+, Pin Count=5, Sense=No, SMD=Yes, Socket=No, Status=None

## Via types
v1: diameter 19.68, hole 7.87, TOP to BTM, tented both sides, 751 vias
v2: diameter 20.08, hole 11.81, TOP to BTM, tented both sides, 162 vias
v3: diameter 19.68, hole 7.87, TOP to BTM, 43 vias
v4: diameter 31.5, hole 15.75, TOP to BTM, tented both sides, 36 vias
v5: diameter 25.98, hole 12.99, TOP to BTM, tented both sides, 4 vias
v6: diameter 50, hole 28, TOP to BTM, tented both sides, 1 vias

## Nets (pads, with @x,y where several pads share a name; then routed paths per layer and width w, separated by ;. In a path a pad name is that pad's centre, name@x,y a point inside that pad or via, vN(x,y) a via of type N, cw(c..) or ccw(c..) an arc to the next point about the centre after c; other vN are vias at no path point)
12VE: C63.2 FL1.1 J4.1 | length 411.9
  BTM w20: 1842.52,6091.34 C63.2@1842.52,6175.2
  BTM w100: FL1.1@1748.03,6094.49 1751.18,6091.34 1842.52,6091.34 J4.1@2074.8,6091.34